# KiCad board 10133.kicad_pcb (continued)
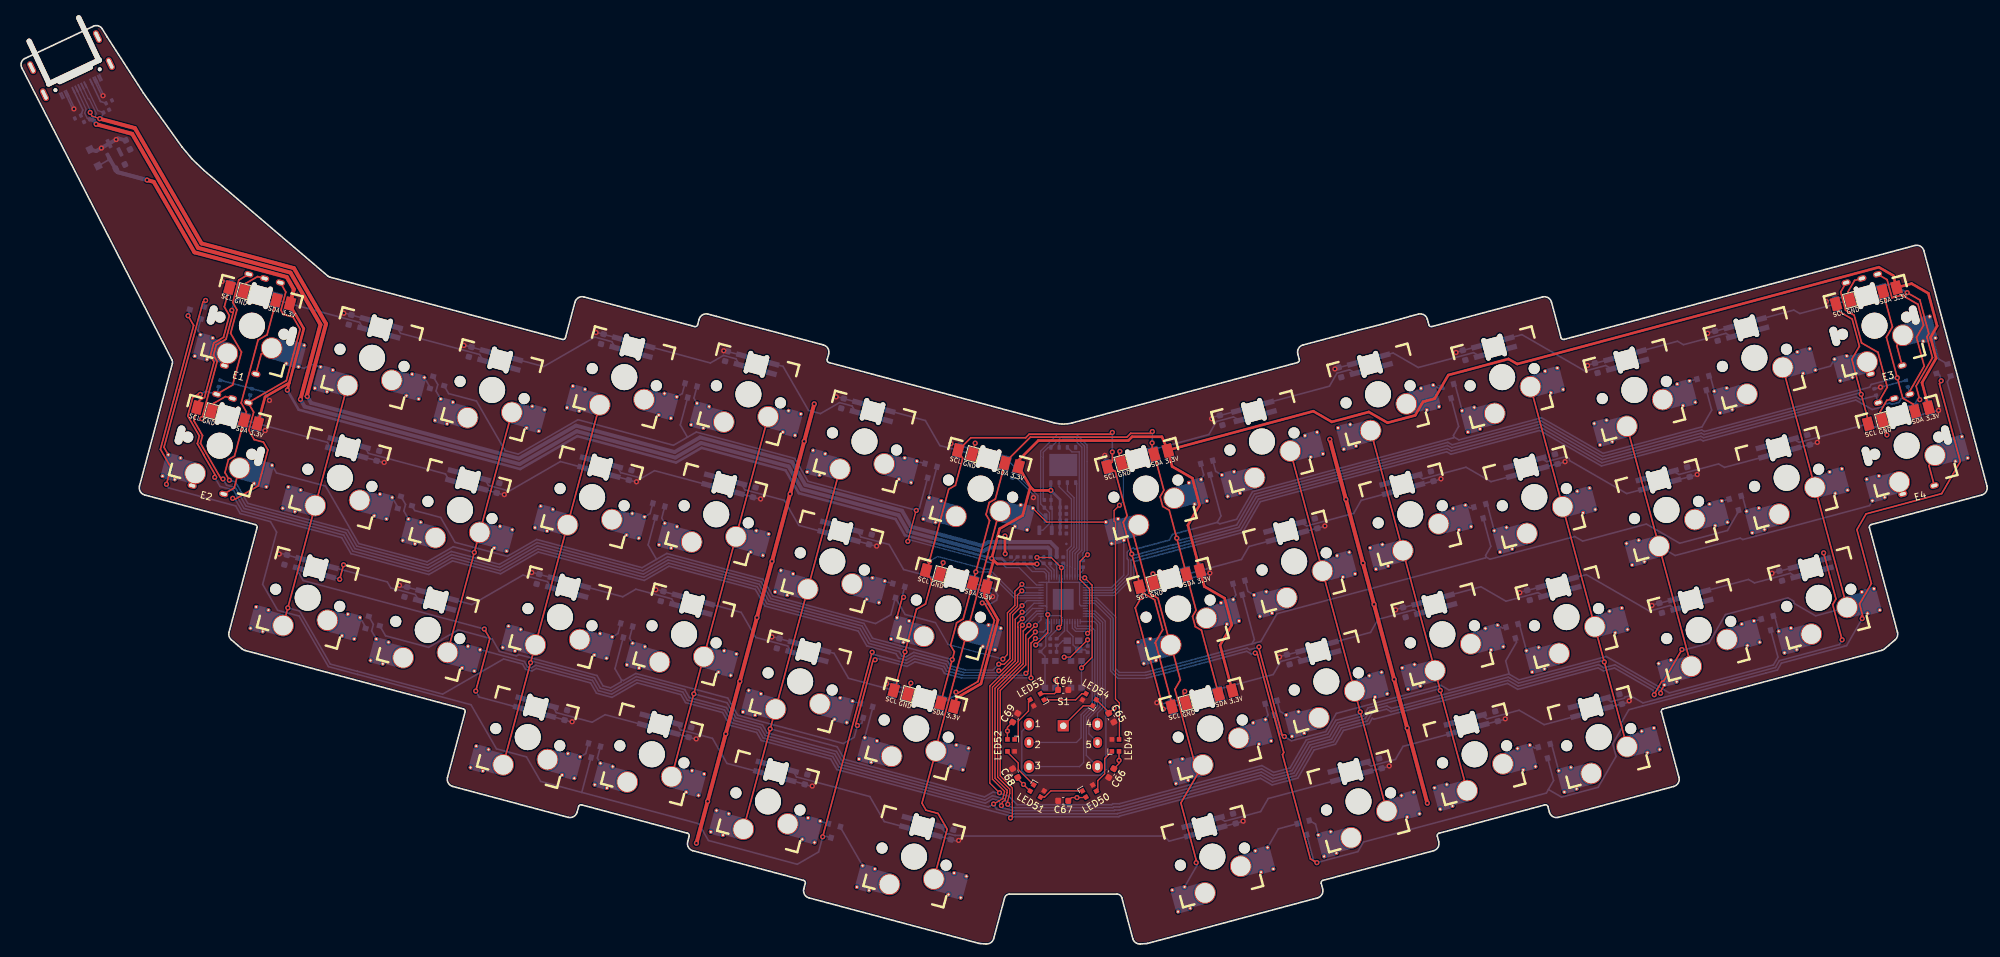
[diagram p0: board, top side]
## Routing (per net, layer and track width the routed paths; a pad name or vN(x,y) marks a point on that pad's centre or on a via; arc(x,y) is an arc through that point) (continued)
/RESET: length 11.1
  Bottom w0.2: U1.26 157.83,47.94 156.96,47.07 156.96,45.67 R1.2 156.83,44.14 SW1.2 SW1.2
/RGB_3.3v: length 56.4
  Top w0.2: v1(163.36,47.64) 163.66,47.94 163.66,54.42 162.2,55.88 162.2,58.68 163.2,59.68 v1(163.35,59.68)
  Bottom w0.2: U1.18 161.03,48.42 161.51,47.94 163.05,47.94 v1(163.36,47.64) ; Q1.2 156.49,63.44 157.52,64.47 157.52,66.12 R6.1 156.17,67.47 156.17,74.76 156.17,74.76 156.17,75.57 158.79,78.2 161.59,78.2 163.28,76.5 163.28,73.98 163.28,59.75 v1(163.35,59.68)
/RGB_5v: length 12.2
  Bottom w0.2: LED1.4 152.06,73.25 R7.1 155.77,68.73 155.77,66.47 Q1.3 156.92,65.75
/Right: length 22.2
  Bottom w0.2: U1.14 164.17,50.25 165.27,49.15 165.27,36.35 163.56,34.64 163.56,32.22 S1.5
/SCL: length 419.4
  Top w0.25: v1(167.15,78.44) 166.87,78.17 154.41,78.17 153.87,77.63 145.47,77.63 J5.3 144.22,74.47 143.11,70.33 142.08,69.74 v1(139.12,58.7) 138.77,57.38 J10.3 139.49,55.73 138.52,52.13 137.15,51.34 133.83,38.98 J4.3 ; J7.3 283.06,79.93 280.45,89.65 281.62,91.66 280.5,95.82 278.31,97.08 J9.3 ; v1(30.89,71.3) 30.55,71.4 27.44,76.78 27.75,77.96 26.42,80.27 J6.3 27.24,83.33 28.05,83.8 29.51,89.25 28.95,90.22 29.47,92.17 30.96,93.03 31.86,96.37 31.09,97.7 J12.3 ; v1(167.15,75.44) 167.15,73.94 J8.3 167.59,72.48 169.41,65.68 168.82,64.65 v1(170.12,59.8) 171.42,54.95 J11.3 171.52,54 173.63,52.78 174.87,48.18 173.7,46.17 173.78,46.12 176.35,36.55 J3.3
  Bottom w0.2: v1(139.12,58.7) 140.38,59.42 147.23,57.59 147.31,57.46 148.31,57.46 152.32,53.45 U1.37
  Bottom w0.25: v1(281.89,84.28) 281.56,84.47 257.79,78.1 257.39,78.33 242.21,74.27 232.77,79.72 219.15,76.07 218.5,76.44 189.24,68.6 186.51,63.87 176.55,61.21 176.52,61.23 170.46,59.6 v1(170.12,59.8) ; v1(30.89,71.3) 31.44,70.35 32.77,69.99 34.4,67.17 49.68,63.07 51.09,60.63 62.3,57.62 65.92,59.71 73.29,57.73 79.06,61.06 95.31,56.71 99.09,58.89 113.04,55.16 114.52,52.58 128.8,48.76 130.12,46.48 135.2,45.12 v1(135.39,44.79) ; v1(167.15,78.44) v1(167.15,75.44)
/SDA: length 409.6
  Top w0.25: J3.2 180.8,48.12 179.86,48.66 179.44,50.24 179.98,51.17 J11.2 175.87,66.52 174.87,67.09 174.48,68.58 175.05,69.57 J8.2 173.25,75.42 v1(173.25,76.83) ; v1(31.87,71.11) 31.19,72.29 31.72,74.27 32.66,74.81 J6.2 34.47,81.58 33.68,82.96 36.26,92.62 37.64,93.41 J12.2 ; J9.2 286.67,94.62 285.75,93.03 288.25,83.7 289.85,82.78 J7.2 ; v1(173.28,78.57) 173,78.3 169.96,78.3 169.38,77.72 154.59,77.72 150.71,73.83 J5.2 149.23,68.23 148.29,67.69 147.8,65.85 148.34,64.92 J10.2 144.29,49.83 143.3,49.25 142.37,45.79 142.94,44.79 v1(142.63,43.6) J4.2
  Bottom w0.2: v1(146.23,57.05) 148.16,57.05 152.16,53.05 U1.36
  Bottom w0.25: v1(173.28,78.57) 173.28,76.87 v1(173.25,76.83) ; v1(177.02,62.23) 177.53,61.93 186.21,64.26 188.94,68.98 218.57,76.92 219.21,76.55 232.83,80.2 242.27,74.75 257.45,78.82 257.85,78.59 283.18,85.38 283.43,85.79 287.36,86.85 v1(287.42,86.82) ; v1(31.87,71.11) 32.79,70.86 34.7,67.55 49.97,63.46 51.39,61.01 62.24,58.1 65.85,60.19 73.23,58.21 79,61.55 95.24,57.19 99.02,59.38 113.33,55.54 114.82,52.97 129.1,49.14 130.41,46.87 134.61,45.75 134.61,45.75 142.62,43.6 v1(142.63,43.6)
/SPI-0: length 14.8
  Bottom w0.2: U1.53 161.03,57.7 161.04,57.72 161.04,60.05 161.68,60.7 161.68,70.6 161.53,70.75
/SPI-1: length 25.1
  Bottom w0.2: U1.55 161.83,57.4 161.84,57.41 161.84,59.72 162.48,60.37 162.48,76.17 161.26,77.4 159.54,77.4 158.99,76.85 158.99,76.15
/SPI-2: length 21.6
  Bottom w0.2: 160.26,76.15 160.96,75.45 162.08,75.45 162.08,75.44 162.08,60.53 161.44,59.89 161.44,57.52 161.43,57.51 U1.54
/SPI-3: length 15.6
  Bottom w0.2: U3.7 158.99,70.12 160.88,68.23 160.88,61.03 160.23,60.37 160.24,60.36 160.24,58.05 160.23,58.04 U1.51
/Up: length 19.1
  Bottom w0.2: U1.13 164.34,50.65 165.67,49.32 165.67,36.19 164.88,35.4 164.88,33.7
Net-(C12-Pad2): length 2.9
  Bottom w0.2: Y1.3 160.24,46.51 159.56,46.51 158.84,45.79 R5.2 158.61,45.77 C12.2
Net-(D1-A-Pad1): length 1.9
  Bottom w0.25: D1.1 62.63,85.33 K1.1
Net-(D1-A-Pad2): length 3.9
  Bottom w0.25: K2.2 63.53,84.78 63.8,85.79 D1.2
Net-(D2-A-Pad1): length 2.6
  Bottom w0.25: D2.1 101.26,84.4 K3.1
Net-(D2-A-Pad2): length 2.8
  Bottom w0.25: K4.2 103.04,83.71 D2.2
Net-(D3-A-Pad1): length 1.3
  Bottom w0.25: D3.1 137.23,73.99 K5.1
Net-(D3-A-Pad2): length 4.9
  Bottom w0.25: K6.2 139.03,68.52 D3.2
Net-(D4-A-Pad1): length 2.6
  Bottom w0.25: D4.1 181.16,71.93 K7.1
Net-(D4-A-Pad2): length 2.8
  Bottom w0.25: D4.2 182.98,72.47 K8.2
Net-(D5-A-Pad1): length 1.4
  Bottom w0.25: D5.1 217.09,85.24 K9.1
Net-(D5-A-Pad2): length 4.4
  Bottom w0.25: D5.2 219.68,85.74 K10.2
Net-(D6-A-Pad1): length 1.2
  Bottom w0.25: K11.1 255.63,86.32 D6.1
Net-(D6-A-Pad2): length 2.6
  Bottom w0.25: D6.2 258.79,86.97 K12.2
Net-(D7-A-Pad1): length 1.9
  Bottom w0.25: K13.1 57.7,66.93 D7.1
Net-(D7-A-Pad2): length 3.9
  Bottom w0.25: K14.2 58.6,66.4 58.86,67.4 D7.2
Net-(D8-A-Pad1): length 2.6
  Bottom w0.25: K15.1 96.33,66 D8.1
Net-(D8-A-Pad2): length 2.8
  Bottom w0.25: D8.2 98.11,65.31 K16.2
Net-(D9-A-Pad1): length 1.3
  Bottom w0.25: D9.1 132.3,55.59 K17.1
Net-(D9-A-Pad2): length 5.1
  Top w0.25: v1(135.17,53.17) 134.95,53.04 K18.2
  Bottom w0.25: v1(135.17,53.17) 135,53.46 D9.2
Net-(D10-A-Pad1): length 2.6
  Bottom w0.25: D10.1 186.09,53.53 K19.1
Net-(D10-A-Pad2): length 2.8
  Bottom w0.25: K20.2 187.91,54.07 D10.2
Net-(D11-A-Pad1): length 1.4
  Bottom w0.25: D11.1 222.02,66.84 K21.1
Net-(D11-A-Pad2): length 4.4
  Bottom w0.25: K22.2 224.61,67.34 D11.2
Net-(D12-A-Pad1): length 1.2
  Bottom w0.25: D12.1 260.56,67.92 K23.1
Net-(D12-A-Pad2): length 2.6
  Bottom w0.25: K24.2 263.72,68.57 D12.2
Net-(D14-A-Pad1): length 1.9
  Bottom w0.25: K25.1 52.77,48.53 D14.1
Net-(D14-A-Pad2): length 3.9
  Bottom w0.25: K26.2 53.66,48.01 53.93,49.01 D14.2
Net-(D15-A-Pad1): length 2.6
  Bottom w0.25: K27.1 91.4,47.6 D15.1
Net-(D15-A-Pad2): length 2.8
  Bottom w0.25: K28.2 93.18,46.9 D15.2
Net-(D16-A-Pad1): length 1.3
  Bottom w0.25: D16.1 127.36,37.19 K29.1
Net-(D16-A-Pad2): length 4.9
  Bottom w0.25: D16.2 130.46,36.3 K30.2
Net-(D17-A-Pad1): length 2.6
  Bottom w0.25: K31.1 191.02,35.13 D17.1
Net-(D17-A-Pad2): length 2.8
  Bottom w0.25: K32.2 192.84,35.67 D17.2
Net-(D18-A-Pad1): length 1.4
  Bottom w0.25: K33.1 226.96,48.43 D18.1
Net-(D18-A-Pad2): length 4.4
  Bottom w0.25: K34.2 229.54,48.93 D18.2
Net-(D19-A-Pad1): length 1.2
  Bottom w0.25: D19.1 265.49,49.52 K35.1
Net-(D19-A-Pad2): length 2.6
  Bottom w0.25: D19.2 268.65,50.17 K36.2
Net-(D21-A-Pad1): length 2.6
  Bottom w0.25: D21.1 86.47,29.19 K39.1
Net-(D21-A-Pad2): length 2.8
  Bottom w0.25: K40.2 88.25,28.5 D21.2
Net-(D22-A-Pad1): length 1.3
  Bottom w0.25: K41.1 122.43,18.79 D22.1
Net-(D22-A-Pad2): length 6.9
  Bottom w0.25: K42.2 125.47,17.91 D22.2
Net-(D23-A-Pad1): length 6.3
  Bottom w0.25: D23.1 192.6,17.66 K43.1
Net-(D23-A-Pad2): length 2.8
  Bottom w0.25: K44.2 198.29,18.37 D23.2
Net-(D24-A-Pad1): length 1.4
  Bottom w0.25: K45.1 231.89,30.03 D24.1
Net-(D24-A-Pad2): length 4.4
  Bottom w0.25: D24.2 234.47,30.53 K46.2
Net-(J1-Pin_1): length 6.1
  Top w0.2: LED54.1 162.69,36.51 RGB.1
  Top w0.25: 159.9,33.45 RGB.1
Net-(J13-CC1): length 4.2
  Bottom w0.25: J13.A5 9.41,127.89 9.24,127.39 9.24,127.38 R10.1
Net-(J13-CC2): length 4.2
  Bottom w0.25: R11.1 12.14,129.19 12.11,129.2 J13.B5
Net-(LED1-DOUT): length 15.7
  Bottom w0.25: LED2.4 138.5,80.26 140.72,76.43 145.05,75.27 LED1.2
Net-(LED2-DOUT): length 17.6
  Bottom w0.25: LED3.4 116.7,88.57 120.59,81.82 122.43,81.33 125.35,83.01 127.27,82.5 LED2.2
Net-(LED3-DOUT): length 15
  Bottom w0.25: LED3.2 109.49,89.73 107.56,90.24 105.57,89.09 LED4.4
Net-(LED4-DOUT): length 17
  Bottom w0.25: LED4.2 90.47,92.36 87.86,93.06 80.03,88.54 LED5.4
Net-(LED5-DOUT): length 14.7
  Bottom w0.25: LED6.4 58.1,93.64 70.22,90.39 LED5.2
Net-(LED6-DOUT): length 14.7
  Bottom w0.25: LED6.2 51.82,95.32 39.7,98.57 LED7.4
Net-(LED7-DOUT): length 22.7
  Top w0.25: v1(27.65,80.55) 30,89.31 29.44,90.28 29.86,91.87 31.35,92.73 32.44,96.81 v1(32.24,97.16)
  Bottom w0.25: v1(27.65,80.55) 28.54,81.06 LED8.4 ; v1(32.24,97.16) 32.61,98.56 LED7.2
Net-(LED8-DOUT): length 14.7
  Bottom w0.25: LED9.4 46.89,76.92 34.76,80.17 LED8.2
Net-(LED10-DIN): length 14.7
  Bottom w0.25: LED10.4 65.51,71.15 64.98,72.07 53.17,75.24 LED9.2
Net-(LED10-DOUT): length 17
  Bottom w0.25: LED11.4 82.58,73.97 74.75,69.45 71.57,70.31 LED10.2
Net-(LED11-DOUT): length 15
  Bottom w0.25: LED11.2 91.82,72.28 95,71.42 97,72.58 LED12.4
Net-(LED12-DOUT): length 15.7
  Bottom w0.25: LED12.2 110.83,69.65 116.89,68.02 119.11,64.19 LED13.4
Net-(LED13-DOUT): length 15.7
  Bottom w0.25: LED14.4 135.17,57.42 132.95,61.25 128.62,62.41 LED13.2
Net-(LED14-DOUT): length 27.9
  Top w0.25: v1(143.19,38.6) 143.56,38.5 146.56,40.24 149.08,49.62 147.59,52.2 v1(147.22,52.3)
  Bottom w0.25: LED15.4 141.92,37.44 143.05,38.09 v1(143.19,38.6) ; v1(147.22,52.3) 148.23,52.03 149.41,52.71 149.61,53.43 149,54.49 146.4,55.18 LED14.2
Net-(LED15-DOUT): length 15.7
  Bottom w0.25: LED15.2 135.19,38.47 126.73,40.73 124.52,44.57 LED16.4
Net-(LED16-DOUT): length 15.7
  Bottom w0.25: LED16.2 117.41,45.7 112.5,47.01 110.28,50.85 LED17.4
Net-(LED17-DOUT): length 15
  Bottom w0.25: LED17.2 99.62,52.93 94.14,54.4 92.14,53.24 LED18.4
Net-(LED18-DOUT): length 17
  Bottom w0.25: LED19.4 69.02,52.04 76.85,56.56 80.61,55.56 LED18.2
Net-(LED19-DOUT): length 14.7
  Bottom w0.25: LED20.4 56.07,55.51 56.6,54.59 60.36,53.59 LED19.2
Net-(LED20-DOUT): length 48.2
  Top w0.25: v1(70.93,48.29) 71.77,46.83 v1(69.62,38.78)
  Bottom w0.25: v1(70.93,48.29) 43.17,55.73 42.36,57.13 LED20.2 ; LED21.4 70.15,37.86 v1(69.62,38.78)
Net-(LED21-DOUT): length 15
  Bottom w0.25: LED22.4 89.44,35.16 87.44,34 81.96,35.47 LED21.2
Net-(LED22-DOUT): length 15.7
  Bottom w0.25: LED22.2 100.97,32.84 105.88,31.53 108.1,27.69 LED23.4
Net-(LED23-DOUT): length 20.4
  Bottom w0.25: LED23.2 118.76,25.61 129.99,22.6 132.21,18.77 LED24.4
Net-(LED24-DOUT): length 39.4
  Bottom w0.25: LED25.4 175.84,15.77 175.06,16.55 144.38,16.55 144.28,16.65 143.08,16.65 143.06,16.63 142.14,16.88 141.8,16.88 LED24.2
Net-(LED25-DOUT): length 19.8
  Bottom w0.25: LED25.2 184.39,18.83 189.88,20.3 191.03,22.3 LED26.4
Net-(LED26-DOUT): length 15
  Bottom w0.25: LED27.4 211.69,30.3 210.54,28.3 206.77,27.29 LED26.2
Net-(LED27-DOUT): length 15.7
  Bottom w0.25: LED28.4 233.31,33.63 229.47,35.84 224.56,34.53 LED27.2
Net-(LED28-DOUT): length 53.9
  Top w0.25: v1(278.96,46.64) 277.52,52.03 278.03,52.9 v1(276.13,59.97)
  Bottom w0.25: v1(278.96,46.64) 278.54,45.91 269.36,43.45 268.75,42.4 248.45,36.96 246.52,38.08 245.7,37.86 245.61,37.7 243.58,37.16 LED28.2 ; v1(276.13,59.97) 276.38,59.05 LED29.4
Net-(LED29-DOUT): length 14.7
  Bottom w0.25: LED30.4 264.61,55.9 265.53,55.37 271.02,56.83 LED29.2
Net-(LED30-DOUT): length 17.6
  Bottom w0.25: LED30.2 252.62,51.9 249.43,51.05 239.76,56.63 LED31.4
Net-(LED31-DOUT): length 15.7
  Bottom w0.25: LED32.4 223.62,54.77 227.46,52.56 232.37,53.87 LED31.2
Net-(LED32-DOUT): length 15
  Bottom w0.25: LED33.4 206.71,47.78 207.86,49.77 213.35,51.24 LED32.2
Net-(LED33-DOUT): length 15
  Bottom w0.25: LED34.4 191.8,41.32 192.96,43.31 195.57,44.01 LED33.2
Net-(LED34-DOUT): length 24.9
  Top w0.25: v1(174.95,36.01) 174.97,36.04 172.99,43.43 172.81,43.53 170.67,51.54 v1(171.59,53.13)
  Bottom w0.25: LED35.4 172.23,54.24 v1(171.59,53.13) ; v1(174.95,36.01) 174.96,36.03 177.78,36.78 LED34.2
Net-(LED35-DOUT): length 15
  Bottom w0.25: LED36.4 188.09,60.95 186.93,58.96 179.13,56.87 LED35.2
Net-(LED36-DOUT): length 15
  Bottom w0.25: LED37.4 205.28,68.03 204.13,66.03 196.91,64.1 LED36.2
Net-(LED37-DOUT): length 15.7
  Bottom w0.25: LED37.2 214.7,71.33 221.33,73.11 225.17,70.89 LED38.4
Net-(LED38-DOUT): length 17.8
  Bottom w0.25: LED39.4 245.96,69.07 237.22,74.11 237.14,74.44 236.62,74.74 233.72,73.96 LED38.2
Net-(LED39-DOUT): length 14.7
  Bottom w0.25: LED39.2 253.97,71.99 260.03,73.61 260.95,73.08 LED40.4
Net-(LED40-DOUT): length 14.7
  Bottom w0.25: LED40.2 272.37,76.92 283.03,79.78 283.95,79.24 LED41.4
Net-(LED41-DOUT): length 24.7
  Top w0.25: v1(288.93,99.87) 290.87,98.75 292.25,93.61 291.95,93.09 292.81,89.9 290.3,85.55 v1(290.86,83.47)
  Bottom w0.25: LED42.4 286.58,101.23 v1(288.93,99.87) ; LED41.2 290.41,83.35 v1(290.86,83.47)
Net-(LED42-DOUT): length 14.7
  Bottom w0.25: LED43.4 271.56,97.2 272.48,96.67 279.56,98.57 LED42.2
Net-(LED43-DOUT): length 14.7
  Bottom w0.25: LED44.4 253.73,92.42 254.65,91.89 261.16,93.64 LED43.2
Net-(LED44-DOUT): length 17.6
  Bottom w0.25: LED45.4 229.9,93.43 239.57,87.85 242.76,88.71 LED44.2
Net-(LED45-DOUT): length 15.7
  Bottom w0.25: LED46.4 210.18,90.61 214.01,88.4 222.51,90.68 LED45.2
Net-(LED46-DOUT): length 15
  Bottom w0.25: LED47.4 200.41,85.53 201.57,87.53 203.49,88.05 LED46.2
Net-(LED47-DOUT): length 15
  Bottom w0.25: LED48.4 181.94,78.12 183.09,80.12 185.7,80.81 LED47.2
Net-(LED48-DOUT): length 42.6
  Top w0.2: v1(168.24,67.27) 167.43,66.47 167.43,64.85 167.63,64.64 167.63,37.56 168.23,36.96 168.23,31.42 LED49.3
  Bottom w0.2: LED48.2 168.84,67.88 v1(168.24,67.27)
Net-(LED49-DOUT): length 7.1
  Top w0.2: LED49.1 165.98,28.44 165.98,26.1 164.92,25.04 164.92,23.67 LED50.3
Net-(LED50-DOUT): length 6.8
  Top w0.2: LED51.3 156.77,22.52 157.73,23.48 LED50.1
Net-(LED51-DOUT): length 6.8
  Top w0.2: LED51.1 152.74,26.77 152.74,27.74 151.08,29.4 LED52.3
Net-(LED52-DOUT): length 7.1
  Top w0.2: LED53.3 154.3,37.21 154.3,35.72 152.74,34.16 152.74,31.92 LED52.1
Net-(LED53-DOUT): length 6.8
  Top w0.2: LED53.1 161.53,37.43 162.48,38.38 LED54.3
Net-(U1-ADC_AVDD): length 5.6
  Bottom w0.2: U1.43 157.03,56.73 156.65,57.11 154.89,57.11 C9.1 153.6,58.34 R4.2
Net-(U1-USB_DM): length 2.3
  Bottom w0.2: U1.46 158.23,57.33 157.63,57.93 R3.2
Net-(U1-USB_DP): length 2.1
  Bottom w0.2: U1.47 R2.2
Net-(U1-XIN): length 6.7
  Bottom w0.2: C11.1 163,45.1 Y1.1 161.89,45.1 161.13,45.86 161.13,47.14 160.23,48.04 U1.20
Net-(U1-XOUT): length 3.1
  Bottom w0.2: U1.21 159.83,48.01 R5.1

## Copper pours and planes (outline as drawn; the poured copper is in the pictures)
+5V on Top: 29.55,119.8 105.33,97.45 159.55,86.8 214.33,97.15 272.05,110.3 300.05,112.8 317.05,95 293.85,40.6 218.85,5.9 160.53,-4.85 103.15,4.6 24.15,45.1 -1.95,133.8 12.55,140.8
GND on Bottom: 29.55,119.8 105.93,97.25 159.55,86.8 214.23,97.05 272.05,110.3 300.05,112.8 316.85,96.3 292.55,41.2 217.75,5.2 160.33,-4.35 102.75,4.3 23.75,44.8 -1.95,133.8 12.55,140.8

## Text on the board
B.Silkscreen: BOOT | RESET | BANANA / 10133-04 / RGBKB
F.Silkscreen: 1         4 / 2         5 / 3         6
